# KiCad board keys.kicad_pcb (continued)
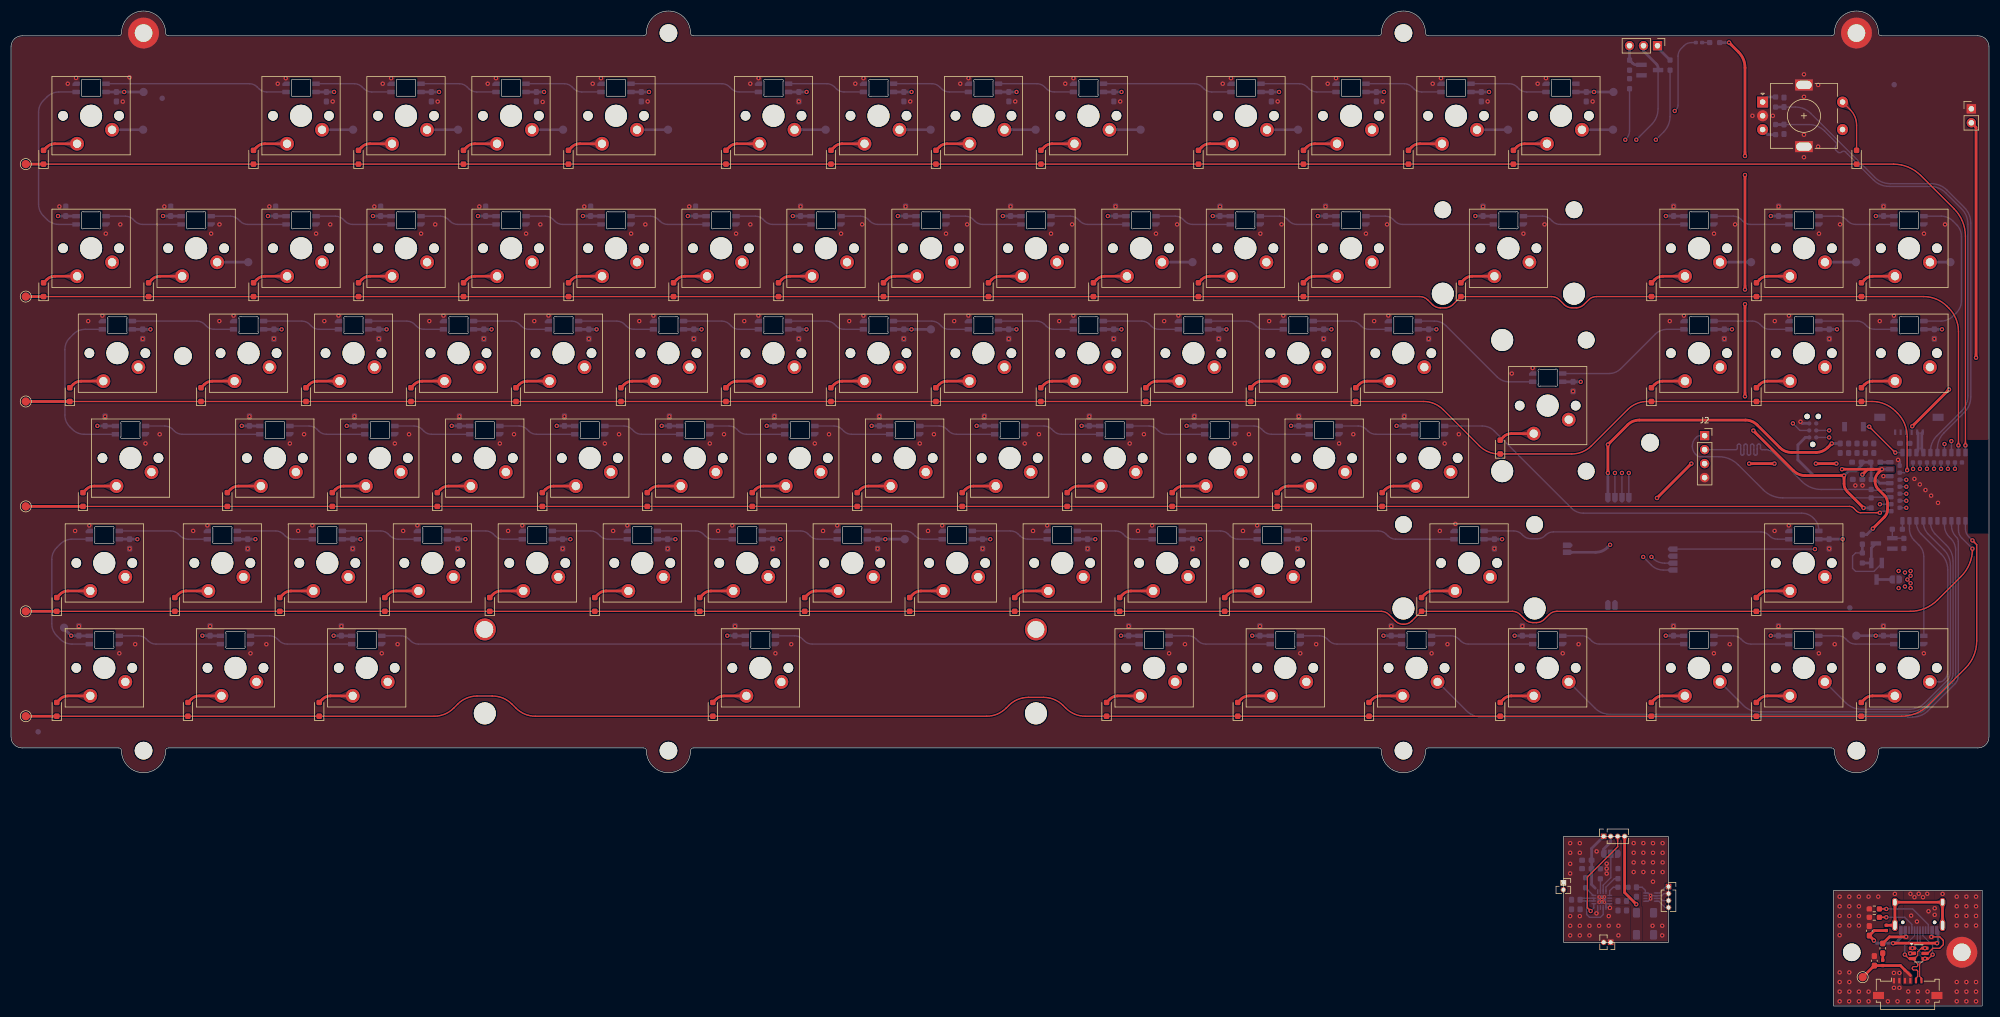
[diagram p0: board, top side]
## Routing (per net, layer and track width the routed paths; a pad name or vN(x,y) marks a point on that pad's centre or on a via; arc(x,y) is an arc through that point) (continued)
Net-(LED21-DIN): length 14
  Bottom w0.25: LED21.3 154.12,143.41 arc(154.89,143.26) 155.54,142.82 155.86,142.5 arc(156.51,142.06) 157.28,141.91 LED22.2
Net-(LED22-DIN): length 14
  Bottom w0.25: LED22.3 173.17,143.41 arc(173.94,143.26) 174.59,142.82 174.91,142.5 arc(175.56,142.06) 176.33,141.91 LED23.2
Net-(LED23-DIN): length 14
  Bottom w0.25: LED23.3 192.22,143.41 arc(192.99,143.26) 193.64,142.82 193.96,142.5 arc(194.61,142.06) 195.38,141.91 LED24.2
Net-(LED24-DIN): length 13.9
  Bottom w0.25: LED25.2 214.43,141.91 arc(213.66,142.06) 213.01,142.5 212.69,142.82 arc(212.04,143.26) 211.27,143.41 LED24.3
Net-(LED25-DIN): length 14.2
  Bottom w0.25: LED26.2 233.35,141.91 arc(232.59,142.06) 231.94,142.5 231.61,142.82 arc(230.96,143.26) 230.2,143.41 LED25.3
Net-(LED26-DIN): length 23.6
  Bottom w0.25: LED26.3 249.37,143.41 arc(250.14,143.26) 250.79,142.82 251.11,142.5 arc(251.76,142.06) 252.53,141.91 LED27.2
Net-(LED27-DIN): length 29.6
  Bottom w0.25: LED27.3 277.95,143.41 arc(278.71,143.26) 279.36,142.82 279.69,142.5 arc(280.34,142.06) 281.1,141.91 LED28.2
Net-(LED28-DIN): length 14
  Bottom w0.25: LED29.2 315.68,141.91 arc(314.91,142.06) 314.26,142.5 313.94,142.82 arc(313.29,143.26) 312.52,143.41 LED28.3
Net-(LED29-DIN): length 14
  Bottom w0.25: LED29.3 331.57,143.41 arc(332.34,143.26) 332.99,142.82 333.31,142.5 arc(333.96,142.06) 334.73,141.91 LED30.2
Net-(LED31-DIN): length 14.1
  Bottom w0.25: LED31.3 338.18,122.86 arc(337.41,123.01) 336.76,123.45 336.44,123.77 arc(335.79,124.21) 335.02,124.36 328.07,124.36
Net-(LED32-DIN): length 14
  Bottom w0.25: LED33.2 315.97,124.36 arc(316.74,124.21) 317.39,123.77 317.71,123.45 arc(318.36,123.01) 319.13,122.86 LED32.3
Net-(LED33-DIN): length 25.1
  Bottom w0.25: LED34.2 289.98,114.83 arc(291.13,115.06) 292.1,115.71 298.37,121.98 arc(299.34,122.63) 300.49,122.86 LED33.3
Net-(LED34-DIN): length 25.1
  Bottom w0.25: LED35.2 258.31,124.36 arc(259.46,124.13) 260.43,123.48 269.7,114.21 arc(270.67,113.56) 271.82,113.33 LED34.3
Net-(LED35-DIN): length 14
  Bottom w0.25: LED35.3 246.43,122.86 arc(245.66,123.01) 245.01,123.45 244.69,123.77 arc(244.04,124.21) 243.27,124.36 LED36.2
Net-(LED36-DIN): length 14
  Bottom w0.25: LED36.3 227.38,122.86 arc(226.61,123.01) 225.96,123.45 225.64,123.77 arc(224.99,124.21) 224.22,124.36 LED37.2
Net-(LED37-DIN): length 14.1
  Bottom w0.25: LED38.2 205.17,124.36 arc(205.94,124.21) 206.59,123.77 206.91,123.45 arc(207.56,123.01) 208.33,122.86 LED37.3
Net-(LED38-DIN): length 14
  Bottom w0.25: LED39.2 186.12,124.36 arc(186.89,124.21) 187.54,123.77 187.86,123.45 arc(188.51,123.01) 189.28,122.86 LED38.3
Net-(LED39-DIN): length 14
  Bottom w0.25: LED39.3 170.23,122.86 arc(169.46,123.01) 168.81,123.45 168.49,123.77 arc(167.84,124.21) 167.07,124.36 LED40.2
Net-(LED40-DIN): length 14.1
  Bottom w0.25: LED40.3 151.18,122.86 arc(150.41,123.01) 149.76,123.45 149.44,123.77 arc(148.79,124.21) 148.02,124.36 LED41.2
Net-(LED41-DIN): length 14
  Bottom w0.25: LED42.2 128.97,124.36 arc(129.74,124.21) 130.39,123.77 130.71,123.45 arc(131.36,123.01) 132.13,122.86 LED41.3
Net-(LED42-DIN): length 14
  Bottom w0.25: LED43.2 109.92,124.36 arc(110.69,124.21) 111.34,123.77 111.66,123.45 arc(112.31,123.01) 113.08,122.86 LED42.3
Net-(LED43-DIN): length 14.1
  Bottom w0.25: LED44.2 90.87,124.36 arc(91.64,124.21) 92.29,123.77 92.61,123.45 arc(93.26,123.01) 94.03,122.86 97.53,122.86
Net-(LED44-DIN): length 14
  Bottom w0.25: LED44.3 74.98,122.86 arc(74.21,123.01) 73.56,123.45 73.24,123.77 arc(72.59,124.21) 71.82,124.36 LED45.2
Net-(LED45-DIN): length 14
  Bottom w0.25: LED45.3 55.93,122.86 arc(55.16,123.01) 54.51,123.45 54.19,123.77 arc(53.54,124.21) 52.77,124.36 LED46.2
Net-(LED46-DIN): length 18.8
  Bottom w0.25: LED46.3 36.88,122.86 arc(36.11,123.01) 35.46,123.45 35.14,123.77 arc(34.49,124.21) 33.72,124.36 LED47.2
Net-(LED48-DIN): length 21.2
  Bottom w0.25: LED48.3 27.9,105.31 arc(28.66,105.16) 29.31,104.72 29.64,104.4 arc(30.29,103.96) 31.05,103.81 45.15,103.81
Net-(LED49-DIN): length 14
  Bottom w0.25: LED49.3 54.1,105.31 arc(54.86,105.16) 55.51,104.72 55.84,104.4 arc(56.49,103.96) 57.25,103.81 LED50.2
Net-(LED50-DIN): length 14
  Bottom w0.25: LED50.3 73.15,105.31 arc(73.91,105.16) 74.56,104.72 74.89,104.4 arc(75.54,103.96) 76.3,103.81 LED51.2
Net-(LED51-DIN): length 14.1
  Bottom w0.25: LED52.2 95.35,103.81 arc(94.59,103.96) 93.94,104.4 93.61,104.72 arc(92.96,105.16) 92.2,105.31 88.7,105.31
Net-(LED52-DIN): length 14
  Bottom w0.25: LED52.3 111.25,105.31 arc(112.01,105.16) 112.66,104.72 112.99,104.4 arc(113.64,103.96) 114.4,103.81 LED53.2
Net-(LED53-DIN): length 14.1
  Bottom w0.25: LED54.2 133.45,103.81 arc(132.69,103.96) 132.04,104.4 131.71,104.72 arc(131.06,105.16) 130.3,105.31 LED53.3
Net-(LED54-DIN): length 14
  Bottom w0.25: LED54.3 149.35,105.31 arc(150.11,105.16) 150.76,104.72 151.09,104.4 arc(151.74,103.96) 152.5,103.81 LED55.2
Net-(LED55-DIN): length 14
  Bottom w0.25: LED56.2 171.55,103.81 arc(170.79,103.96) 170.14,104.4 169.81,104.72 arc(169.16,105.16) 168.4,105.31 LED55.3
Net-(LED56-DIN): length 14
  Bottom w0.25: LED57.2 190.6,103.81 arc(189.84,103.96) 189.19,104.4 188.86,104.72 arc(188.21,105.16) 187.45,105.31 LED56.3
Net-(LED57-DIN): length 14.1
  Bottom w0.25: LED57.3 206.5,105.31 arc(207.26,105.16) 207.91,104.72 208.24,104.4 arc(208.89,103.96) 209.65,103.81 LED58.2
Net-(LED58-DIN): length 13.9
  Bottom w0.25: LED58.3 225.55,105.31 arc(226.31,105.16) 226.96,104.72 227.29,104.4 arc(227.94,103.96) 228.7,103.81 LED59.2
Net-(LED59-DIN): length 14.2
  Bottom w0.25: LED60.2 247.65,103.81 arc(246.89,103.96) 246.24,104.4 245.91,104.72 arc(245.26,105.16) 244.5,105.31 LED59.3
Net-(LED61-DIN): length 56.4
  Bottom w0.25: 322.6,84.76 320.53,84.76 arc(319.76,84.91) 319.11,85.35 318.96,85.5 arc(318.31,85.93) 317.55,86.08 279.89,86.08 arc(279.13,85.93) 278.48,85.5 278.4,85.42 arc(277.75,84.99) 276.98,84.83 275.79,84.83 arc(275.03,84.99) 274.38,85.42 274.12,85.67 arc(273.47,86.11) 272.71,86.26 LED62.2
Net-(LED62-DIN): length 30.7
  Bottom w0.25: LED63.2 248.12,86.26 arc(248.89,86.11) 249.54,85.67 249.86,85.35 arc(250.51,84.91) 251.28,84.76 LED62.3
Net-(LED63-DIN): length 14.1
  Bottom w0.25: LED64.2 219.47,86.26 arc(220.24,86.11) 220.89,85.67 221.21,85.35 arc(221.86,84.91) 222.63,84.76 LED63.3
Net-(LED64-DIN): length 14
  Bottom w0.25: LED65.2 200.42,86.26 arc(201.19,86.11) 201.84,85.67 202.16,85.35 arc(202.81,84.91) 203.58,84.76 LED64.3
Net-(LED65-DIN): length 14.1
  Bottom w0.25: 188.03,84.76 184.53,84.76 arc(183.76,84.91) 183.11,85.35 182.79,85.67 arc(182.14,86.11) 181.37,86.26 LED66.2
Net-(LED66-DIN): length 14
  Bottom w0.25: LED67.2 162.32,86.26 arc(163.09,86.11) 163.74,85.67 164.06,85.35 arc(164.71,84.91) 165.48,84.76 LED66.3
Net-(LED67-DIN): length 14
  Bottom w0.25: LED67.3 146.43,84.76 arc(145.66,84.91) 145.01,85.35 144.69,85.67 arc(144.04,86.11) 143.27,86.26 LED68.2
Net-(LED68-DIN): length 14
  Bottom w0.25: LED68.3 127.38,84.76 arc(126.61,84.91) 125.96,85.35 125.64,85.67 arc(124.99,86.11) 124.22,86.26 LED69.2
Net-(LED69-DIN): length 14.1
  Bottom w0.25: LED70.2 105.17,86.26 arc(105.94,86.11) 106.59,85.67 106.91,85.35 arc(107.56,84.91) 108.33,84.76 LED69.3
Net-(LED70-DIN): length 14
  Bottom w0.25: LED71.2 86.12,86.26 arc(86.89,86.11) 87.54,85.67 87.86,85.35 arc(88.51,84.91) 89.28,84.76 LED70.3
Net-(LED71-DIN): length 14.1
  Bottom w0.25: LED71.3 70.23,84.76 arc(69.46,84.91) 68.81,85.35 68.49,85.67 arc(67.84,86.11) 67.07,86.26 LED72.2
Net-(LED72-DIN): length 14
  Bottom w0.25: LED73.2 48.02,86.26 arc(48.79,86.11) 49.44,85.67 49.76,85.35 arc(50.41,84.91) 51.18,84.76 LED72.3
Net-(LED73-DIN): length 16.4
  Bottom w0.25: LED74.2 28.97,86.26 arc(29.74,86.11) 30.39,85.67 30.71,85.35 arc(31.36,84.91) 32.13,84.76 LED73.3
Net-(LED75-DIN): length 18.8
  Bottom w0.25: LED75.3 23.15,67.21 arc(23.91,67.06) 24.56,66.62 24.89,66.3 arc(25.54,65.86) 26.3,65.71 LED76.2
Net-(LED76-DIN): length 18.8
  Bottom w0.25: LED77.2 50.1,65.71 arc(49.34,65.86) 48.69,66.3 48.36,66.62 arc(47.71,67.06) 46.95,67.21 LED76.3
Net-(LED77-DIN): length 66.4
  Bottom w0.25: LED77.3 70.77,67.21 arc(71.54,67.06) 72.19,66.62 72.51,66.3 arc(73.16,65.86) 73.93,65.71 LED78.2
Net-(LED78-DIN): length 66.4
  Bottom w0.25: LED79.2 145.38,65.71 arc(144.61,65.86) 143.96,66.3 143.64,66.62 arc(142.99,67.06) 142.22,67.21 LED78.3
Net-(LED79-DIN): length 18.8
  Bottom w0.25: LED79.3 213.65,67.21 arc(214.41,67.06) 215.06,66.62 215.39,66.3 arc(216.04,65.86) 216.8,65.71 LED80.2
Net-(LED80-DIN): length 18.8
  Bottom w0.25: LED81.2 240.6,65.71 arc(239.84,65.86) 239.19,66.3 238.86,66.62 arc(238.21,67.06) 237.45,67.21 LED80.3
Net-(LED81-DIN): length 18.8
  Bottom w0.25: LED81.3 261.3,67.21 arc(262.06,67.06) 262.71,66.62 263.04,66.3 arc(263.69,65.86) 264.45,65.71 LED82.2
Net-(LED82-DIN): length 22.4
  Bottom w0.25: LED83.2 288.23,65.71 arc(287.46,65.86) 286.81,66.3 286.49,66.62 arc(285.84,67.06) 285.07,67.21 LED82.3
Net-(LED83-DIN): length 14
  Bottom w0.25: LED83.3 312.52,67.21 arc(313.29,67.06) 313.94,66.62 314.26,66.3 arc(314.91,65.86) 315.68,65.71 322.6,65.71
Net-(LED84-DIN): length 14
  Bottom w0.25: LED85.2 334.7,65.71 arc(333.94,65.86) 333.29,66.3 332.96,66.62 arc(332.31,67.06) 331.55,67.21 LED84.3
Net-(Q1-G): length 5.5
  Bottom w0.5: Q2.3 337.57,83.16 Q1.1 R11.2
Net-(Q1-S): length 12
  Bottom w0.25: R11.1 334.73,82.26 334.18,81.71 334.18,79.46 334.73,78.91 338.05,78.91 339.48,80.33 Q1.2
  Bottom w0.5: F2.2 R11.1
Net-(Q2-G): length 3.7
  Bottom w0.25: R12.1 341.39,84.95 Q2.1 343.44,84.94 R13.2
Net-(Q3-G): length 0.3
  Bottom w0.25: 293.7,169.58 R19.1
Net-(Q3-S): length 5.1
  Bottom w0.5: SW87.3 293.69,171.75 R19.2 294.27,171.18 arc(294.59,170.96) 294.98,170.88 Q3.2
Net-(R14-Pad1): length 2.7
  Bottom w0.5: R14.1 318.76,165.05 SW86.A
Net-(R17-Pad1): length 2.7
  Bottom w0.5: R17.1 318.76,158.22 SW86.B
Net-(SW87A-A): length 3.6
  Bottom w0.5: SW87.1 298.78,174.02 R16.2
Net-(U3-ISET): length 3.6
  Bottom w0.25: U3.16 289.42,21.58 290.96,23.12 R9.1
Net-(U3-TS): length 2.6
  Bottom w0.25: R6.1 290.75,21.56 290.1,20.92 U3.1

## Copper pours and planes (outline as drawn; the poured copper is in the pictures)
+5V on Top: 343.28,3.9 345.07,3.9 345.07,5.57 344.43,6.4 343.28,6.4
+5V on Bottom: 343.4,102.94 343.65,102.94 343.65,101.38 343.88,101.38 343.88,99.53 345.12,99.53 345.12,101.38 345.32,101.38 345.32,102.94 345.43,102.94 345.43,104.88 343.4,104.88
+5V on Bottom: 338.78,105.69 345.43,105.69 345.43,104.88 343.4,104.88 343.4,105.01 339.68,105.01 339.68,101.28 338.78,101.28
+5V on Bottom: 288.05,20.32 288.05,21.62 286.9,21.62 287.58,20.42 287.78,20.32
+5V on Bottom: 331.18,101.28 331.18,102.94 338.78,102.94 338.78,101.28
GND on Top: 289.55,19.86 289.55,18.79 290.8,18.79 290.8,18.16 293.88,18.16 293.88,11.56 296.05,11.56 296.05,18.09 295.88,18.09 295.88,19.29 297.03,19.29 297.03,20.26 295.93,20.26 295.93,20.74 294.13,20.74 294.13,19.94 290.8,19.94 290.8,19.86
GND on Top, Bottom: 343.39,21 343.39,13.06 348.97,13.06 348.97,21
GND on Top, Bottom: 281.7,30.77 281.7,11.57 293.9,11.57 293.9,18.19 290.83,18.19 290.83,18.82 289.58,18.82 289.58,19.84 290.83,19.84 290.83,19.92 294.15,19.92 294.15,20.72 295.9,20.72 295.9,18.12 296.03,18.12 296.03,11.57 300.78,11.57 300.78,30.77
GND on Top, Bottom: 348.97,21 348.97,12.03 343.39,12.03 343.39,21 330.69,21 330.69,0 357.69,0 357.69,21
GND on Top, Bottom, In2.Cu: -0.08,182.28 -0.08,42.28 359.93,42.28 359.93,182.28
VBUS on Top: 343.39,13.06 348.97,13.06 348.97,12.03 343.39,12.03
+BATT on Bottom: 289.6,19.81 289.6,18.84 290.85,18.84 290.85,18.21 293.92,18.21 293.92,11.74 296,11.74 296,18.09 295.87,18.09 295.87,19.29 297.02,19.29 297.02,20.26 295.87,20.26 295.87,20.69 294.17,20.69 294.17,19.89 290.85,19.89 290.85,19.81
+VSW on Top: 341.82,98.08 341.82,96.83 338.9,96.83 338.9,98.08
+VSW on Bottom: 287.75,19.81 286.5,19.81 286.5,20.09 283.02,20.09 283.02,21.69 281.7,21.69 281.7,18.49 286.5,18.49 286.5,18.84 287.75,18.84
LED_PWR_SJP on Bottom: 342.05,79.46 345.18,79.46 345.18,75.41 342.05,75.41
LED_PWR_SJP on In1.Cu: 6.92,166.94 6.95,66.16 347.68,66.16 347.7,85.86 339.43,85.86 319.23,85.88 319.23,110.63 353.93,110.61 353.93,144.49 290.78,144.49 290.78,166.94
Net-(Q3-G) on Bottom: 293,170.61 293,167.71 294.4,167.71 294.4,168.38 297.03,168.38 297.03,169.58 294.4,169.58 294.4,170.34 294.1,170.61

Small or netless copper shapes (teardrops, artwork), in the pictures only: 154 on Top, 429 on Bottom, 18 on In1.Cu, 182 on In2.Cu
